# KiCad board v2_1.kicad_pcb (continued)
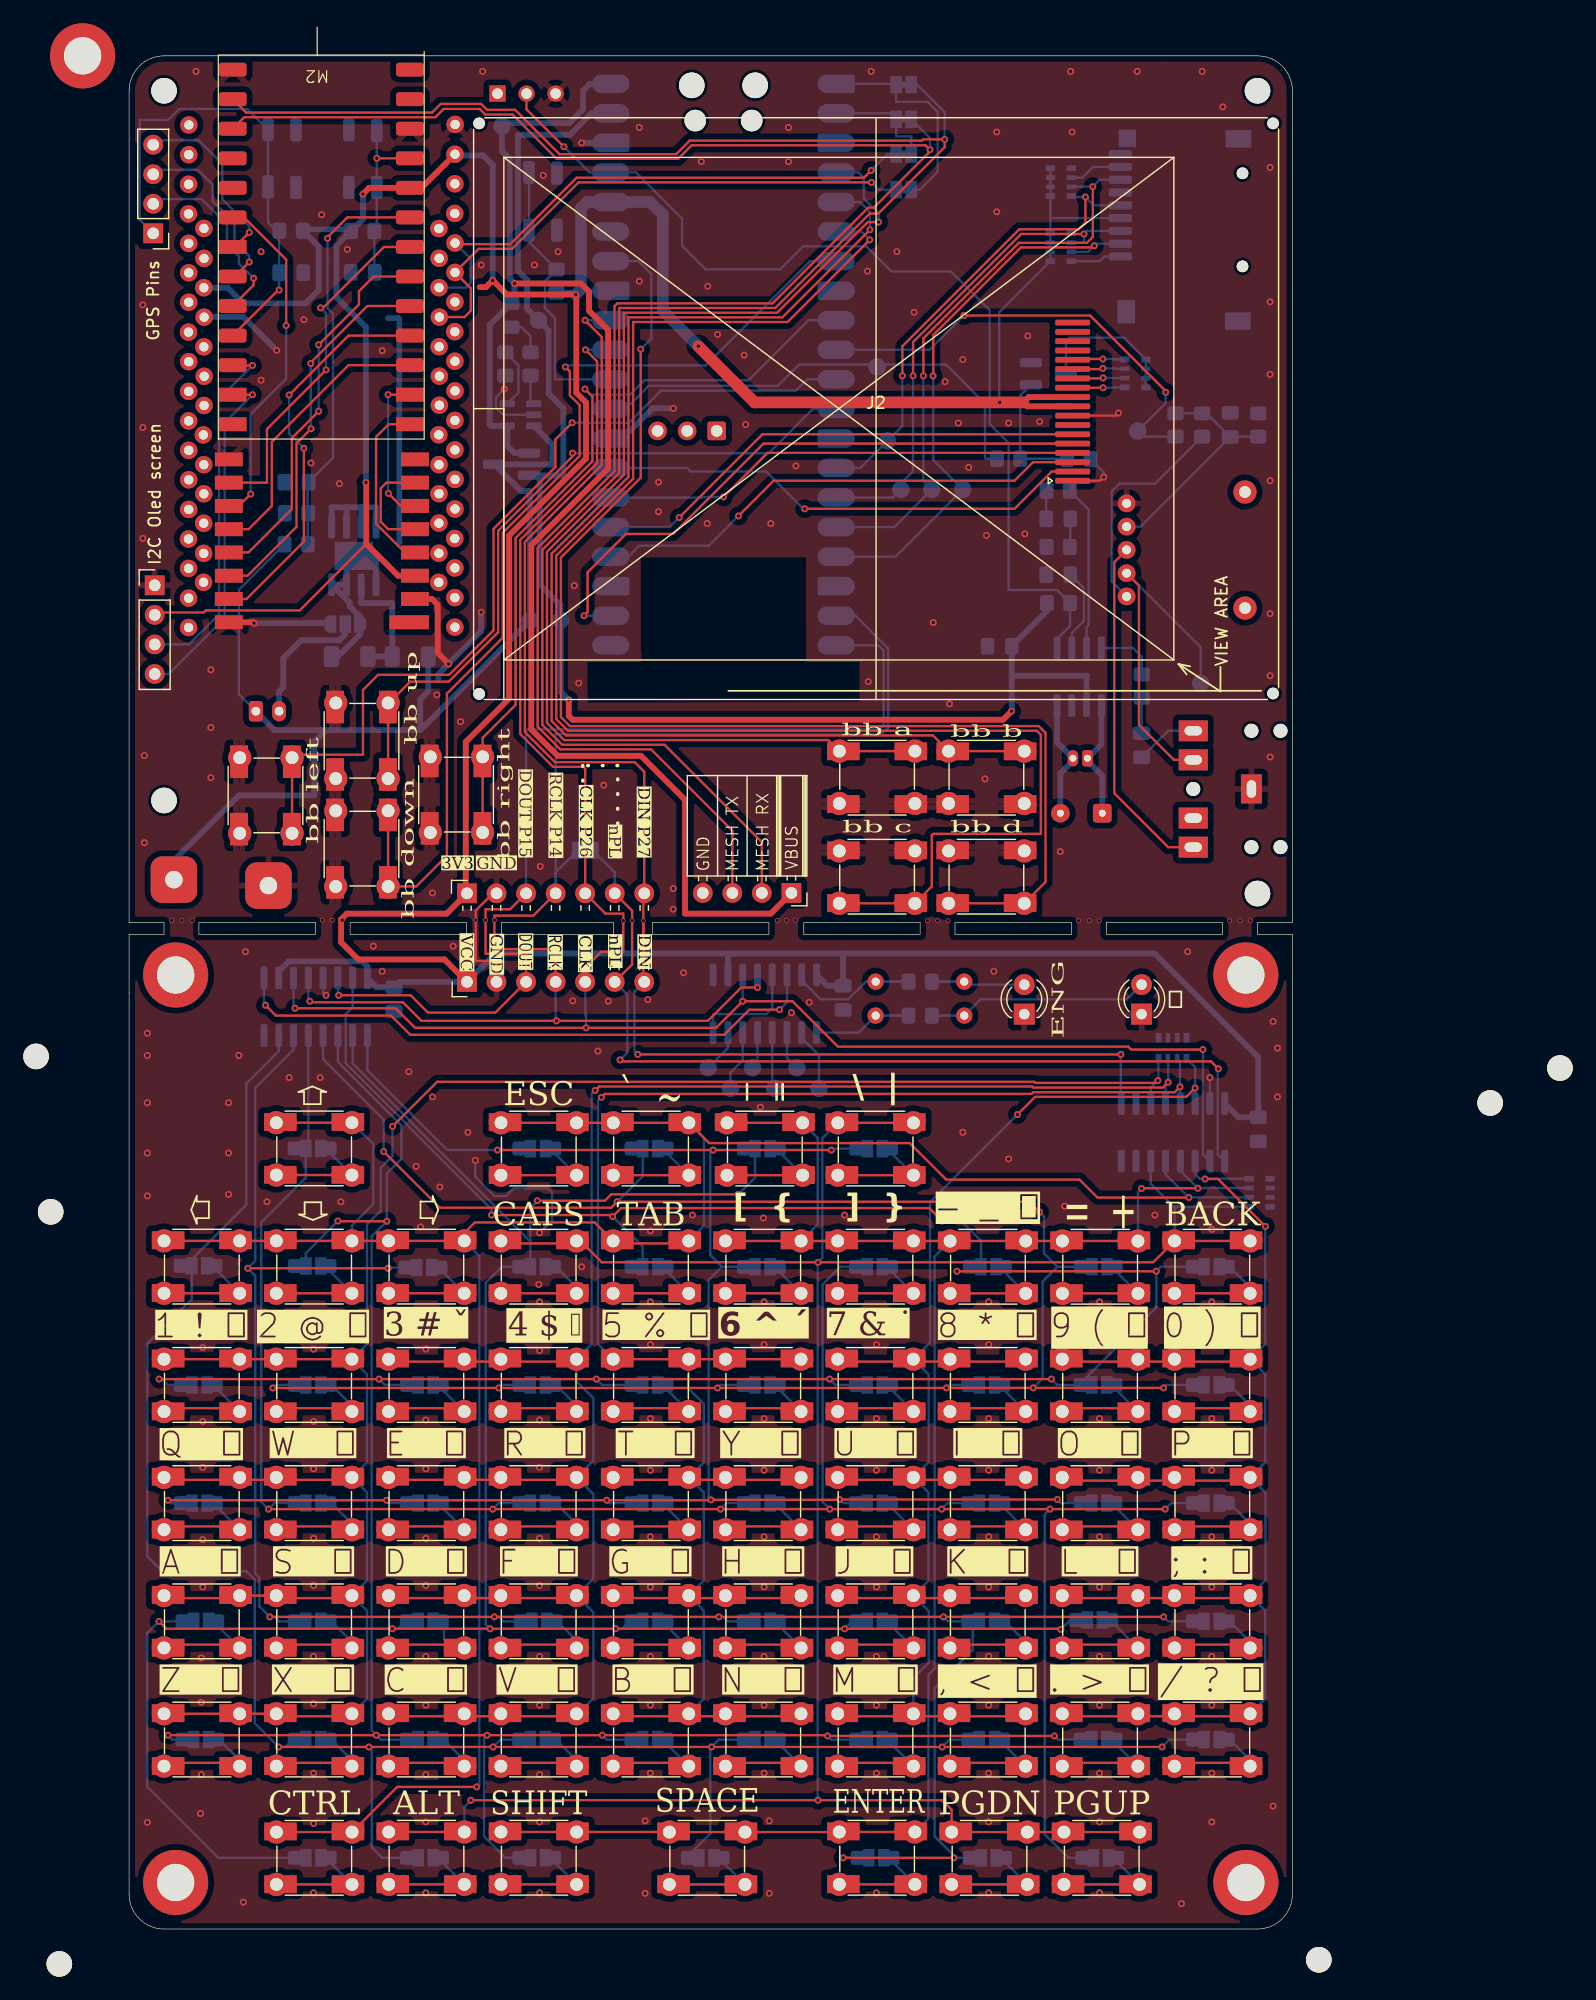
[diagram p0: board, top side]
## Routing (per net, layer and track width the routed paths; a pad name or vN(x,y) marks a point on that pad's centre or on a via; arc(x,y) is an arc through that point) (continued)
CLK: length 168.4
  Top w0.2: v1(14.26,79.14) 22.9,79.14 24.58,77.46 v1(39.28,77.46) 50.46,77.46 v1(52.74,79.75) 57.03,79.75 60.93,75.84 85.89,75.84 86.14,75.59 v1(92.31,75.59) ; v1(39.23,135.74) 40.23,134.74 40.23,125.99 33.62,119.39 33.62,102.71 36.44,99.89 39.06,99.89 39.2,99.75 J3.5 40.95,87.27 42.48,87.27 v2(42.48,86.66) 42.48,84 40.58,84 39.2,82.62 J1.5
  Bottom w0.2: v1(39.23,135.74) U3.31 ; v1(92.31,75.59) 92.31,66.6 U2.2 ; U1.11 14.14,79.27 v1(14.26,79.14) ; v1(39.28,77.46) 39.28,78.53 39.22,78.59 39.22,81.39 J1.5 ; U4.11 v1(52.74,79.75)
DI: length 126
  Top w0.2: v1(39.19,138.28) 40.63,136.84 40.63,125.83 34.02,119.22 34.02,102.88 36.61,100.29 43.46,100.29 44.28,99.47 J3.7 44.2,88.94 v2(44.2,86.66) ; J1.7 44.28,82.05 44.2,82.13 v2(44.2,86.66) ; 44.31,83.92 44.2,84.02 v2(44.2,86.66) ; v1(43.73,75.17) v1(85.25,75.17)
  Bottom w0.2: v1(85.25,75.17) 85.25,70.99 U2.9 ; v1(43.73,75.17) 43.43,75.47 43.43,80.56 J1.7 ; v1(39.19,138.28) U3.32
DO: length 89.3
  Top w0.2: J3.3 32.76,87.65 30.64,87.65 30.64,83.83 34.12,83.83 J1.3 31.48,78.76 25.69,78.76 24.2,80.25 v1(18.02,80.25)
  Bottom w0.2: J3.3 34.12,102.97 34.27,103.12 64.53,103.12 64.86,103.44 64.86,109.9 64.42,110.34 U3.20 ; 17.94,81.75 17.94,80.32 v1(18.02,80.25) ; J1.3 34.12,80.84
  vias: v2(30.64,86.71)
nPL: length 80.7
  Top w0.2: J3.6 43.24,87.52 v2(43.24,86.66) 43.24,82.9 J1.6 ; v1(93.64,73.94) 93,74.57 42.33,74.57 v1(42.2,74.7)
  Bottom w0.2: J1.6 42.84,80.31 42.84,75.33 v1(42.2,74.7) ; v1(93.64,73.94) 93.58,73.88 93.58,66.6 U2.1 ; J3.6 41.74,90.81 JP1.2
RCLK: length 123.3
  Top w0.2: v1(15.53,79.75) 15.62,79.65 23.53,79.65 25.13,78.06 v1(36.74,78.06) 49.75,78.06 52.62,80.92 v1(54.01,80.92) ; J3.4 34.74,87.1 31.4,87.1 31.4,84.22 36.66,84.22 J1.4
  Bottom w0.2: v1(15.53,79.75) 15.41,79.87 U1.12 ; J1.4 36.66,78.14 v1(36.74,78.06) ; U3.19 62.45,112.88 65.26,110.06 65.26,103.28 64.7,102.72 36.66,102.72 J3.4 36.66,90.81 JP1.1 ; U4.12 v1(54.01,80.92)
  vias: v2(31.41,86.71)
x0: length 200.6
  Top w0.2: v1(71.16,56.54) v1(88.3,56.54) ; v1(69.89,60.86) 68.78,61.97 42.29,61.97 v1(41.57,61.24) 41.44,61.36 v1(31.15,61.36) ; v1(79.29,47.27) v1(60.21,47.27) v1(40.17,47.27) v1(21.49,47.27) v1(2.58,47.27)
  Bottom w0.2: v1(60.21,47.27) 60.71,46.77 D25.2 ; v1(41.57,61.24) 44.14,58.66 D50.2 ; v1(2.58,47.27) 2.83,47.27 3.33,46.77 D1.2 ; D17.2 40.67,46.77 v1(40.17,47.27) ; D54.2 88.69,56.93 v1(88.3,56.54) 88.3,53.42 D33.2 ; v1(71.16,56.54) 71.75,56.54 D41.2 ; D41.2 73.24,59.16 71.54,60.86 v1(69.89,60.86) ; D9.2 21.99,46.77 v1(21.49,47.27) ; v1(79.29,47.27) 79.79,46.77 D33.2 ; U1.15 19.22,79.24 18.61,78.64 18.61,74.43 23.81,69.24 23.81,69.2 31.15,61.85 v1(31.15,61.36)
x1: length 168.8
  Top w0.2: v1(79.79,36.92) v1(61.06,36.92) 61.03,36.89 v1(50.01,36.89) 49.97,36.85 v1(41.06,36.85) v1(22.14,36.85) v1(3.34,36.85) ; v1(31.66,66.95) v1(60.36,66.95)
  Bottom w0.2: v1(50.01,36.89) 49.81,37.09 49.81,55.77 50.97,56.92 ; v1(50.2,66.95) 49.96,66.71 49.96,57.93 50.97,56.92 ; D62.2 34.37,66.95 v1(31.66,66.95) 27.34,66.95 20.48,73.81 20.48,76.8 ; v1(60.36,66.95) 60.49,67.08 62.35,67.08 ; D10.2 22.38,36.61 v1(22.14,36.85) ; 50.97,56.92 52.7,56.92 ; v1(41.06,36.85) 41.31,36.61 D18.2 ; D26.2 61.37,36.61 v1(61.06,36.92) ; v1(3.34,36.85) 3.59,36.61 D2.2 ; v1(79.79,36.92) 80.11,36.61 D34.2
x2: length 200.1
  Top w0.2: v1(52.36,63.14) 41.44,63.14 40.9,62.6 v1(35.09,62.6) ; v1(2.57,26.45) 3.2,25.81 v1(22.63,25.81) 31.02,25.81 v1(31.03,25.81) 41.81,25.81 v1(41.81,25.81) 61.5,25.81 v1(61.51,25.81) 80.04,25.81 v1(80.09,25.76)
  Bottom w0.2: v1(31.03,25.81) 30.66,26.18 30.66,55.55 32.03,56.93 D51.2 ; D3.2 v1(2.57,26.45) 1.55,25.43 1.55,12.23 7.66,6.12 D52.2 ; D19.2 42.4,25.81 v1(41.81,25.81) ; 19.22,76.8 19.22,74.39 24.21,69.4 24.21,69.36 34.49,59.08 ; v1(35.09,62.6) 34.49,62 D51.2 ; v1(61.51,25.81) 62.15,26.45 D27.2 ; v1(52.36,63.14) 53.81,64.59 D43.2 ; v1(22.63,25.81) 23.1,25.81 D11.2 ; D35.2 80.91,26.57 v1(80.09,25.76)
x3: length 172.6
  Top w0.2: v1(79.54,16.6) v1(60.04,16.6) 59.98,16.66 v1(40.67,16.66) v1(30.77,16.66) v1(21.24,16.66) v1(3.34,16.66) ; v1(22.16,60.84) 17.97,60.84 v1(17.94,60.86)
  Bottom w0.2: D44.2 32.34,6.13 30.52,7.95 30.52,16.41 v1(30.77,16.66) ; D20.2 41.05,16.29 v1(40.67,16.66) ; 17.94,76.8 17.94,74.53 23.41,69.07 23.41,66.19 22.16,64.94 v1(22.16,60.84) 20.85,59.53 20.85,17.05 v1(21.24,16.66) 21.62,16.29 D12.2 ; v1(17.94,60.86) 15.19,58.1 D59.2 ; D36.2 79.85,16.29 v1(79.54,16.6) ; D28.2 60.35,16.29 v1(60.04,16.6) ; v1(3.34,16.66) 3.72,16.29 D4.2
x4: length 181.7
  Top w0.2: v1(88.93,46.51) v1(77.72,46.51) v1(70.26,46.51) 70.25,46.51 v1(50.58,46.51) v1(31.79,46.51) v1(12.36,46.51) ; v1(21.88,66.83) 26.71,62 41.44,62 v1(41.95,62.51) 77.38,62.51 v1(78.27,61.62)
  Bottom w0.2: 79.79,56.92 78.52,55.65 78.52,47.32 v1(77.72,46.51) ; 79.79,56.92 78.65,58.06 78.65,61.24 v1(78.27,61.62) ; 79.79,56.92 D45.2 ; 16.67,76.8 16.67,74.76 21.88,69.55 v1(21.88,66.83) ; D5.2 12.62,46.77 v1(12.36,46.51) ; D29.2 70.51,46.77 v1(70.26,46.51) ; v1(50.58,46.51) 50.84,46.77 D21.2 ; v1(31.79,46.51) 32.05,46.77 D13.2 ; v1(88.93,46.51) 89.18,46.77 D37.2 ; D49.2 44.15,64.71 v1(41.95,62.51)
x5: length 186.3
  Top w0.2: v1(11.98,36.09) v1(31.26,36.09) v1(50.84,36.09) v1(69.84,36.09) v1(89.06,36.09)
  Bottom w0.2: D56.2 80.74,6.12 78.71,8.15 78.71,35.64 v1(79.16,36.09) ; v1(60.24,36.09) 59.61,36.72 59.61,55.41 61.13,56.93 D46.2 ; D14.2 31.77,36.61 v1(31.26,36.09) ; D6.2 12.49,36.61 v1(11.98,36.09) 11.35,36.72 11.35,60.74 15.19,64.58 D58.2 15.41,67.31 15.41,76.8 ; v1(69.84,36.09) 70.36,36.61 D30.2 ; D22.2 51.35,36.61 v1(50.84,36.09) ; v1(89.06,36.09) 89.58,36.61 D38.2
x6: length 189.5
  Top w0.2: v1(12.09,26.83) v1(31.4,26.83) v1(50.7,26.83) v1(70.01,26.83) v1(88.93,26.83) ; v1(61.38,6.12) v1(70.9,6.12) ; v1(10.2,56.79) v1(22.26,56.79)
  Bottom w0.2: D57.2 v1(70.9,6.12) 70.9,6.3 69.24,7.96 69.24,20.72 72.53,24 72.53,25.91 D31.2 70.39,26.45 v1(70.01,26.83) ; D7.2 12.86,26.45 12.47,26.83 v1(12.09,26.83) 11.2,27.72 11.2,30.19 10.83,30.56 10.83,56.16 v1(10.2,56.79) 10.83,57.43 10.83,72.29 14.14,75.59 14.14,76.8 ; 24.71,56.86 22.33,56.86 v1(22.26,56.79) ; D39.2 89.31,26.45 v1(88.93,26.83) ; D15.2 32.16,26.45 31.78,26.83 v1(31.4,26.83) ; D23.2 51.46,26.45 51.08,26.83 v1(50.7,26.83) ; v1(61.38,6.12) 61.39,6.13 D47.2
x7: length 186.1
  Top w0.2: v1(88.8,15.65) 69.89,15.65 v1(69.89,15.65) 69.88,15.65 v1(50.07,15.65) v1(31.29,15.65) v1(12.86,15.65)
  Bottom w0.2: D24.2 50.7,16.29 v1(50.07,15.65) 49.96,15.54 49.96,8.21 D48.2 ; v1(20.61,15.65) 20.87,15.39 20.87,7.01 21.75,6.13 D53.2 ; v1(88.8,15.65) 89.44,16.29 D40.2 ; v1(69.89,15.65) 70.53,16.29 D32.2 ; v1(31.29,15.65) 31.92,16.29 D16.2 D16.2 ; 12.87,76.8 12.87,75.46 10.07,72.67 10.07,62.25 5.38,57.56 D60.2 5.38,54.14 1.56,50.32 1.56,32.03 2.83,30.76 10.07,30.76 10.8,30.03 10.8,17.71 v1(12.86,15.65) 13.45,15.65 D8.2 D8.2
y0: length 190.5
  Top w0.2: SW5.1 SW5.1 SW1.1 SW1.1 ; SW4.1 8.94,18.5 SW4.1 9.37,18.5 12.79,18.5 SW8.1 SW8.1 ; SW7.1 SW7.1 12.79,28.66 9.37,28.66 SW3.1 SW3.1 ; v1(88.43,72.92) 88.23,72.72 77.9,72.72 77.81,72.81 26.47,72.81 v1(22.64,68.98) ; SW6.1 12.87,38.61 SW6.1 12.44,38.61 9.71,38.61 SW2.1 9.37,38.82 SW2.1 SW2.1
  Bottom w0.2: v1(22.64,68.98) 22.64,66.44 21.63,65.43 21.63,61.75 20.45,60.57 20.45,50.28 SW5.1 20.45,47.68 20.45,40.12 SW6.1 20.45,37.52 20.45,29.96 SW7.1 20.45,27.36 20.45,19.8 SW8.1 ; RN1.8 88.47,74.79 88.47,72.97 v1(88.43,72.92) 87.83,72.32 U2.11
y1: length 173.7
  Top w0.2: v1(40.06,72.08) 40.4,72.41 77.65,72.41 77.74,72.33 88.87,72.33 v1(89.32,72.78) ; SW9.1 SW13.1 38.32,48.98 SW13.1 ; SW10.1 SW14.1 ; SW11.1 SW15.1 ; SW12.1 SW16.1
  Bottom w0.2: U2.12 89.1,72.56 v1(89.32,72.78) 89.32,74.41 89.3,74.43 RN1.7 ; v1(40.06,72.08) 39.77,71.78 39.77,59.69 39.76,59.68 39.76,50.28 SW13.1 38.46,47.07 39.91,45.62 39.91,40.27 SW14.1 39.91,37.37 39.91,30.11 SW15.1 39.91,27.21 39.91,19.83 38.57,18.5 SW16.1
y2: length 173.2
  Top w0.2: SW20.1 SW24.1 ; SW19.1 SW23.1 ; SW18.1 SW22.1 ; v1(90.34,72.38) 89.88,71.92 77.72,71.92 77.58,71.78 40.89,71.78 v1(40.59,71.48) ; SW21.1 SW21.1 42.17,48.98 SW17.1
  Bottom w0.2: SW17.1 48.11,46.44 49.41,45.14 49.41,40.12 SW18.1 49.41,37.52 49.41,29.96 SW19.1 49.41,27.36 49.41,19.8 SW20.1 ; RN1.6 90.34,74.58 v1(90.34,72.38) 90.34,70.99 U2.13 ; v1(40.59,71.48) 40.31,71.19 40.31,50.28 SW17.1
y3: length 142.4
  Top w0.2: SW30.1 SW26.1 ; v1(91.64,72.29) 90.88,71.53 77.89,71.53 v1(76.36,70) ; SW25.1 67.28,48.98 SW25.1 ; SW32.1 SW28.1 ; SW28.1 67.28,18.5 SW28.1 ; SW27.1 67.28,28.66 SW27.1 ; SW27.1 SW31.1 ; SW26.1 67.28,38.82 SW26.1 ; SW25.1 SW29.1
  Bottom w0.2: U2.14 v1(91.64,72.29) 91.64,74.08 RN1.5 ; v1(76.36,70) 68.84,62.48 68.84,50.41 SW25.1 68.74,47.66 68.74,40.14 SW26.1 68.71,37.52 68.71,29.96 SW27.1 68.74,27.34 68.74,22.89 67.41,21.57 SW28.1
y4: length 120.4
  Top w0.2: SW35.1 SW39.1 ; SW34.1 80.63,38.54 95.96,38.54 SW38.1 ; SW36.1 SW40.1 ; v1(97.68,60.39) 93.6,64.47 v1(92.49,64.47) ; SW37.1 SW33.1
  Bottom w0.2: v1(97.68,60.39) 97.67,60.38 97.67,50.28 SW37.1 97.67,47.68 97.67,40.12 SW38.1 97.69,37.5 97.69,29.98 SW39.1 97.67,27.36 97.67,19.8 SW40.1 ; U2.3 91.64,64.89 92.06,64.47 v1(92.49,64.47) 92.51,64.49 RN2.8
y5: length 157.8
  Top w0.2: SW47.1 SW47.1 61.04,8.33 SW48.1 SW48.1 46.44,8.34 SW44.1 SW44.1 ; v1(87.03,63.65) 87.05,63.67 v1(91.87,63.67) ; SW42.1 86.72,59.14 SW45.1 ; SW43.1 SW43.1
  Bottom w0.2: SW47.1 68.71,9.5 68.71,21.85 69.24,22.38 69.24,57.8 SW41.1 ; SW43.1 59.2,67.99 59.2,60.58 SW42.1 ; U2.4 90.37,65.17 v1(91.87,63.67) 92.41,63.67 92.43,63.69 RN2.7 ; v1(87.03,63.65) 86.73,63.34 SW45.1
y6: length 212.7
  Top w0.2: SW50.1 40.02,60.73 29.71,60.73 SW61.1 ; v1(91.1,62.87) 83.24,62.87 81.7,64.41 70.24,64.41 67.1,67.55 49.86,67.55 SW49.1 SW62.1 ; v1(29.88,12.22) 23.04,12.22 SW52.1 SW52.1 ; SW50.1 SW50.1 ; SW60.1 SW61.1 ; SW58.1 SW58.1
  Bottom w0.2: SW50.1 49.42,60.45 49.42,67.99 SW49.1 ; SW61.1 30.1,57.85 30.1,25.58 30.1,12.44 v1(29.88,12.22) ; U2.5 89.1,64.87 v1(91.1,62.87) 91.12,62.89 RN2.6 ; SW58.1 20.99,67.47 20.99,62.32 19.15,60.48 SW59.1
y7: length 214.3
  Top w0.2: SW51.1 SW51.1 39.01,58.93 40.63,57.31 59.21,57.31 v1(59.22,57.3) 59.23,57.31 88.04,57.31 SW54.1 SW54.1 ; SW56.1 SW57.1 SW57.1 70.71,10.25 69.89,11.07 v1(59.22,11.07) v1(29.38,11.07) ; SW53.1 SW53.1 ; SW55.1 SW55.1
  Bottom w0.2: v1(59.22,11.07) 59.19,11.1 59.19,57.27 v1(59.22,57.3) 59.6,57.68 59.6,67.97 SW55.1 ; U2.6 87.83,64.04 89.87,62 89.95,62 ; 89.95,62 90.04,62.09 RN2.5 ; 89.95,62 89.87,61.91 SW54.1 ; v1(29.38,11.07) 29.38,11.05 28.81,10.49 SW53.1
Net-(C4-Pad1): length 20.1
  Bottom w0.2: C4.1 92.62,130.28 R10.2 R8.2 ; C4.1 94.69,128.28 R9.1 ; C4.1 86.95,120.54 RV1.5
Net-(C5-Pad1): length 2.4
  Bottom w0.2: R11.2 80.91,118.83 C5.1
Net-(C5-Pad2): length 2.4
  Bottom w0.2: R12.1 78.83,123.58 C5.2
Net-(C6-Pad1): length 5.4
  Bottom w0.2: J6.R 89.32,102.99 C6.1
Net-(C6-Pad2): length 3.1
  Bottom w0.2: C6.2 87.04,105.82 R13.1
Net-(D1-K): length 9.3
  Top w0.2: SW1.2 SW1.2 9.44,44.48 SW1.2
  Bottom w0.2: D1.1 7.65,46.72 7.65,46.33 SW1.2
Net-(D2-K): length 9.3
  Top w0.2: SW2.2 9.44,34.32 SW2.2 SW2.2
  Bottom w0.2: D2.1 7.65,36.56 7.65,36.17 SW2.2
Net-(D3-K): length 9.3
  Top w0.2: SW3.2 SW3.2 9.21,24.45 SW3.2
  Bottom w0.2: SW3.2 7.78,25.88 7.78,26.4 D3.1
Net-(D4-K): length 9.3
  Top w0.2: SW4.2 SW4.2 9.44,14 SW4.2
  Bottom w0.2: D4.1 9.5,14.52 SW4.2
Net-(D5-K): length 9.3
  Top w0.2: SW5.2 SW5.2 19.09,44.48 SW5.2
  Bottom w0.2: SW5.2 19.15,45 D5.1
Net-(D6-K): length 9.3
  Top w0.2: SW6.2 19.09,34.32 SW6.2 SW6.2
  Bottom w0.2: SW6.2 19.15,34.84 D6.1
Net-(D7-K): length 9.3
  Top w0.2: SW7.2 SW7.2 19.09,24.16 SW7.2
  Bottom w0.2: SW7.2 19.15,24.68 D7.1
Net-(D8-K): length 9.3
  Top w0.2: SW8.2 18.87,14.29 SW8.2 SW8.2
  Bottom w0.2: D8.1 19.15,14.52 SW8.2
Net-(D9-K): length 9.3
  Top w0.2: SW9.2 28.74,44.48 SW9.2 SW9.2
  Bottom w0.2: SW9.2 27.08,46.2 27.08,46.72 D9.1
Net-(D10-K): length 9.4
  Top w0.2: SW10.2 28.74,34.32 SW10.2 SW10.2
  Bottom w0.2: SW10.2 26.95,36.17 26.95,36.52 D10.1
Net-(D11-K): length 9.8
  Top w0.2: SW11.2 28.74,24.16 SW11.2 SW11.2
  Bottom w0.2: D11.1 27.08,26.4 27.08,24.92 27.84,24.16 SW11.2
Net-(D12-K): length 9.3
  Top w0.2: SW12.2 28.52,14.29 SW12.2 SW12.2
  Bottom w0.2: D12.1 28.8,14.52 SW12.2
Net-(D13-K): length 9.3
  Top w0.2: SW13.2 38.39,44.48 SW13.2 SW13.2
  Bottom w0.2: SW13.2 38.46,45 D13.1
Net-(D14-K): length 9.3
  Top w0.2: SW14.2 SW14.2 38.39,34.32 SW14.2
  Bottom w0.2: D14.1 38.46,34.84 SW14.2
Net-(D15-K): length 9.2
  Top w0.2: SW15.2 SW15.2 38.39,24.16 SW15.2
  Bottom w0.2: D15.1 38.46,24.8 SW15.2
Net-(D16-K): length 9.3
  Top w0.2: SW16.2 38.39,14 SW16.2 SW16.2
  Bottom w0.2: D16.1 38.46,14.52 SW16.2
Net-(D17-K): length 9.3
  Top w0.2: SW17.2 48.05,44.48 SW17.2 SW17.2
  Bottom w0.2: SW17.2 46.38,46.2 46.38,46.72 D17.1
Net-(D18-K): length 9.3
  Top w0.2: SW18.2 SW18.2 48.05,34.32 SW18.2
  Bottom w0.2: SW18.2 46.38,36.04 46.38,36.56 D18.1
Net-(D19-K): length 9.3
  Top w0.2: SW19.2 SW19.2 48.05,24.16 SW19.2
  Bottom w0.2: SW19.2 46.38,25.88 46.38,26.4 D19.1
Net-(D20-K): length 9.3
  Top w0.2: SW20.2 48.05,14 SW20.2 SW20.2
  Bottom w0.2: SW20.2 46.38,15.72 46.38,16.24 D20.1
Net-(D21-K): length 9.3
  Top w0.2: SW21.2 SW21.2 57.7,44.48 SW21.2
  Bottom w0.2: D21.1 56.04,46.72 56.04,46.2 SW21.2
Net-(D22-K): length 9.4
  Top w0.2: SW22.2 SW22.2 57.7,34.32 SW22.2
  Bottom w0.2: D22.1 55.91,36.52 55.91,36.17 SW22.2
Net-(D23-K): length 9.3
  Top w0.2: SW23.2 57.7,24.16 SW23.2 SW23.2
  Bottom w0.2: SW23.2 56.04,25.88 56.04,26.4 D23.1
Net-(D24-K): length 9.3
  Top w0.2: SW24.2 57.7,14 SW24.2 SW24.2
  Bottom w0.2: SW24.2 56.04,15.72 56.04,16.24 D24.1
Net-(D25-K): length 9.3
  Top w0.2: SW25.2 67.35,44.48 SW25.2 SW25.2
  Bottom w0.2: D25.1 65.64,46.25 SW25.2
Net-(D26-K): length 9.3
  Top w0.2: SW26.2 67.35,34.32 SW26.2 SW26.2
  Bottom w0.2: SW26.2 65.69,36.04 65.69,36.56 D26.1
Net-(D27-K): length 9.3
  Top w0.2: SW27.2 SW27.2 67.35,24.16 SW27.2
  Bottom w0.2: D27.1 65.64,25.93 SW27.2
Net-(D28-K): length 9.4
  Top w0.2: SW28.2 67.35,14 SW28.2 SW28.2
  Bottom w0.2: D28.1 65.56,16.2 65.56,15.85 SW28.2
Net-(D29-K): length 9.4
  Top w0.2: SW29.2 SW29.2 77,44.48 SW29.2
  Bottom w0.2: SW29.2 75.21,46.33 75.21,46.68 D29.1
Net-(D30-K): length 9.3
  Top w0.2: SW30.2 77,34.32 SW30.2 SW30.2
  Bottom w0.2: SW30.2 75.34,36.04 75.34,36.56 D30.1
Net-(D31-K): length 9.3
  Top w0.2: SW31.2 77,24.16 SW31.2 SW31.2
  Bottom w0.2: SW31.2 77.06,24.68 D31.1
Net-(D32-K): length 9.4
  Top w0.2: SW32.2 SW32.2 77,14 SW32.2
  Bottom w0.2: SW32.2 75.21,15.85 75.21,16.2 D32.1
Net-(D33-K): length 9.4
  Top w0.2: SW33.2 86.65,44.48 SW33.2 SW33.2
  Bottom w0.2: SW33.2 84.86,46.33 84.86,46.68 D33.1
Net-(D34-K): length 9.4
  Top w0.2: SW34.2 SW34.2 86.65,34.32 SW34.2
  Bottom w0.2: D34.1 84.86,36.52 84.86,36.17 SW34.2
Net-(D35-K): length 9.6
  Top w0.2: SW35.2 SW35.2 86.65,24.16 SW35.2
  Bottom w0.2: D35.1 84.48,26.49 84.48,26.39 SW35.2
Net-(D36-K): length 9.4
  Top w0.2: SW36.2 SW36.2 86.65,14 SW36.2
  Bottom w0.2: SW36.2 84.86,15.85 84.86,16.2 D36.1
Net-(D37-K): length 9.3
  Top w0.2: SW37.2 96.31,44.48 SW37.2 SW37.2
  Bottom w0.2: D37.1 96.37,45 SW37.2
Net-(D38-K): length 9.3
  Top w0.2: SW38.2 SW38.2 96.31,34.32 SW38.2
  Bottom w0.2: D38.1 96.37,34.84 SW38.2
Net-(D39-K): length 9.3
  Top w0.2: SW39.2 96.31,24.16 SW39.2 SW39.2
  Bottom w0.2: D39.1 96.37,24.68 SW39.2
Net-(D40-K): length 9.3
  Top w0.2: SW40.2 SW40.2 96.31,14 SW40.2
  Bottom w0.2: D40.1 96.37,14.52 SW40.2
Net-(D41-K): length 9.5
  Top w0.2: SW41.2 SW41.2
  Bottom w0.2: D41.1 75.43,56.28 SW41.2
Net-(D42-K): length 9.5
  Top w0.2: SW42.2 SW42.2
  Bottom w0.2: D42.1 56,56.4 SW42.2
Net-(D43-K): length 9.6
  Top w0.2: SW43.2 SW43.2
  Bottom w0.2: D43.1 56,66.69 SW43.2
Net-(D44-K): length 9.5
  Top w0.2: SW44.2 SW44.2
  Bottom w0.2: D44.1 36.7,5.61 SW44.2
Net-(D45-K): length 9.5
  Top w0.2: SW45.2 SW45.2
  Bottom w0.2: D45.1 84.96,56.4 SW45.2
Net-(D46-K): length 9.5
  Top w0.2: SW46.2 SW46.2
  Bottom w0.2: SW46.2 65.64,56.41 D46.1
Net-(D47-K): length 9.5
  Top w0.2: SW47.2 SW47.2
  Bottom w0.2: SW47.2 65.78,5.61 D47.1
Net-(D48-K): length 9.5
  Top w0.2: SW48.2 SW48.2
  Bottom w0.2: SW48.2 51.17,5.6 D48.1
Net-(D49-K): length 9.5
  Top w0.2: SW49.2 SW49.2
  Bottom w0.2: D49.1 46.35,66.56 SW49.2
Net-(D50-K): length 10
  Top w0.2: SW50.2 SW50.2 48.05,54.64 SW50.2
  Bottom w0.2: SW50.2 46.38,56.36 46.38,56.88 D50.1
Net-(D51-K): length 10
  Top w0.2: SW51.2 SW51.2 38.39,54.64 SW51.2
  Bottom w0.2: SW51.2 38.46,55.16 D51.1
Net-(D52-K): length 9.5
  Top w0.2: SW52.2 SW52.2
  Bottom w0.2: D52.1 17.39,5.6 SW52.2
Net-(D53-K): length 9.5
  Top w0.2: SW53.2 SW53.2
  Bottom w0.2: D53.1 27.05,5.61 SW53.2
Net-(D54-K): length 9.5
  Top w0.2: SW54.2 SW54.2
  Bottom w0.2: D54.1 96.37,55.16 SW54.2
Net-(D55-K): length 9.5
  Top w0.2: SW55.2 SW55.2
  Bottom w0.2: D55.1 65.65,66.56 SW55.2
Net-(D56-K): length 9.5
  Top w0.2: SW56.2 SW56.2
  Bottom w0.2: D56.1 85.09,5.6 SW56.2
Net-(D57-K): length 9.5
  Top w0.2: SW57.2 SW57.2
  Bottom w0.2: SW57.2 75.44,5.6 D57.1
Net-(D58-K): length 9.5
  Top w0.2: SW58.2 SW58.2
  Bottom w0.2: SW58.2 17.38,66.57 D58.1
Net-(D59-K): length 9.6
  Top w0.2: SW59.2 SW59.2
  Bottom w0.2: D59.1 17.38,56.41 SW59.2
Net-(D60-K): length 9.7
  Top w0.2: SW60.2 SW60.2
  Bottom w0.2: SW60.2 7.58,56.57 D60.1
Net-(D61-K): length 9.5
  Top w0.2: SW61.2 SW61.2
  Bottom w0.2: SW61.2 26.91,56.54 D61.1
Net-(D62-K): length 9.5
  Top w0.2: SW62.2 SW62.2
  Bottom w0.2: D62.1 36.7,66.56 SW62.2
Net-(D63-A): length 16.3
  Bottom w0.2: R1.2 73.19,79.91 85.76,79.91 D63.2
Net-(D64-A): length 5.3
  Bottom w0.2: D64.2 72.05,81.18 R2.2
Net-(D65-K): length 3.4
  Bottom w0.2: R6.1 34.51,136.9 33.73,137.68 D65.1
Net-(J2-Pin_11): length 4.5
  Top w0.2: J2.11 83.73,132.48 v1(83.73,132.47)
  Bottom w0.2: RN3.1 84.64,132.5 84.61,132.47 v1(83.73,132.47)
Net-(J2-Pin_12): length 4.5
  Top w0.2: v1(83.73,133.32) 83.69,133.28 J2.12
  Bottom w0.2: RN3.2 84.55,133.3 84.54,133.32 v1(83.73,133.32)
Net-(J2-Pin_13): length 4.5
  Top w0.2: J2.13 83.64,134.08 v1(83.71,134.14)
  Bottom w0.2: RN3.3 84.69,134.1 84.65,134.14 v1(83.71,134.14)
Net-(J6-PadRN): length 31.5
  Top w0.2: RV1.2 86.81,115.47 86.81,103.5 89.82,100.49 J6.RN
  Bottom w0.2: TP9.1 92.11,110.17 RV1.2
Net-(J6-PadT): length 30.1
  Top w0.2: J6.T 89.32,92.99 84.69,97.62 84.69,117.47 RV1.4
Net-(J7-Pin_1): length 10.3
  Bottom w0.5: J7.1 83.65,99.13 82.38,100.4 J8.1 83.58,101.82 U6.5
Net-(J7-Pin_2): length 10.3
  Bottom w0.5: J7.2 80.05,99.33 81.13,100.41 J8.2 79.77,102 U6.8
Net-(J9-Pin_3): length 15.7
  Top w0.2: v1(10.33,143.28) 9.08,142.04 M2.8
  Bottom w0.2: J9.3 2.45,151.2 5.91,151.2 7.18,149.93 7.18,148.51 9.05,146.63 9.05,145.06 10.33,143.79 v1(10.33,143.28)
Net-(J9-Pin_4): length 15.7
  Top w0.2: M2.7 9.08,144.58 v1(10.33,145.82)
  Bottom w0.2: J9.4 2.45,153.74 5.98,153.74 8.01,151.71 8.01,148.66 10.33,146.35 v1(10.33,145.82)
Net-(JP4-A): length 16.7
  Bottom w0.5: C12.1 17.94,109.37 19.88,111.31 JP4.1 19.88,112.77 18.96,113.69 18.96,114 U7.8 U7.7 18.68,117.39 U7.9 20.9,118.02 21.22,117.7 U7.5
Net-(M1-DIO2): length 9.2
  Top w0.2: M1.7 22.12,124.32 21.63,123.82 21.63,120.95 22.26,120.32 M1.5
Net-(Q1-D): length 13
  Bottom w0.2: Q1.3 80.53,136.47 80.84,136.78 85.53,136.78 RN3.5 RN3.8
Net-(Q1-G): length 10.8
  Bottom w0.2: Q1.1 76.6,131.8 R3.1 80.62,126.36 R4.2
Net-(R10-Pad1): length 19.3
  Bottom w0.2: RV1.1 84.47,115.82 84.47,123.57 85.13,124.23 88.19,124.23 R10.1
Net-(U1-QH'): length 51.8
  Top w0.2: v1(55.92,79.02) 53.31,79.02 51.16,76.86 24.17,76.86 22.52,78.51 12.61,78.51 v1(11.72,79.4)
  Bottom w0.2: U4.14 56.55,79.65 v1(55.92,79.02) ; v1(11.72,79.4) 11.59,79.53 U1.9
Net-(U4-GND): length 9.7
  Bottom w0.2: U4.13 55.28,79.14 54.78,78.64 50.2,78.64 U4.8
Net-(U4-QA): length 8.1
  Bottom w0.2: U4.15 57.82,81.53 59.45,79.91 61.81,79.91 63.34,81.43 R2.1
Net-(U4-QB): length 5.7
  Bottom w0.2: U4.1 62.71,77.05 R1.1
Net-(U4-QC): length 5.4
  Bottom w0.2: U4.2 57.82,76.58 59.3,75.1 TP10.1
Net-(U4-QD): length 3.4
  Bottom w0.2: U4.3 56.55,74.88 TP11.1
Net-(U4-QE): length 4.9
  Bottom w0.2: U4.4 55.28,72.46 TP12.1
Net-(U4-QF): length 3.2
  Bottom w0.2: TP13.1 54.01,74.46 U4.5
Net-(U4-QG): length 5.2
  Bottom w0.2: U4.6 52.74,74.67 51.68,73.61 TP14.1
Net-(U4-QH): length 3.7
  Bottom w0.2: U4.7 51.47,75.73 TP15.1
Net-(U5-PROG): length 5.3
  Bottom w0.2: U5.5 33.46,132.06 33.46,134.4 R5.1
Net-(U5-STAT): length 2.5
  Bottom w0.2: U5.1 34.51,131.37 R6.2
Net-(U6-IN+): length 14.2
  Bottom w0.2: R12.2 82.48,122.01 82.48,112.06 82.31,111.89 U6.3
Net-(U6-IN-): length 5.3
  Bottom w0.2: R13.2 87.03,109.37 86.29,110.11 U6.4
Net-(U6-NC): length 7.2
  Bottom w0.2: C8.1 82.08,115.23 82.08,112.42 81.04,111.38 U6.2
Net-(U7-VDD): length 10.9
  Bottom w0.5: U7.6 19.95,113.97 22.62,113.97 R19.1 C12.2

## Copper pours and planes (outline as drawn; the poured copper is in the pictures)
GND on Top, Bottom: -13.12,165.94 -13.12,-4.8 111.34,-4.8 111.34,165.94

## Text on the board
B.Silkscreen: GND | 3V3 | SCL | SDA | T1G | BTN | P020 | P022 | PROT | VBAT 3~5V | BAT+ | BAT-
F.Silkscreen: DOUT | RCLK | GND | MESH TX | MESH RX | VBUS | VCC | CLK | nPL | DIN | 3V3 | DOUT P15 | RCLK P14 | CLK P26 | DIN P27
